# Altium PCB Copy of foxbms2-master.PcbDoc (part 2 of 11)
Units mm, origin at the board's own origin, x right, y up, seen from the top; angles counter-clockwise.
Board outline 200.11 x 130.05 mm, 8 copper layers (Top, Int1 (Sig), Int2 (Gnd), Int3 (Sig), Int4 (Sig), Int5 (Pwr), Int6 (Sig), Bottom), stack 1.636 mm thick; 806 components, 624 nets, 2842 pads, 2609 vias.
Unrouted connection lines stored in the file: 3.
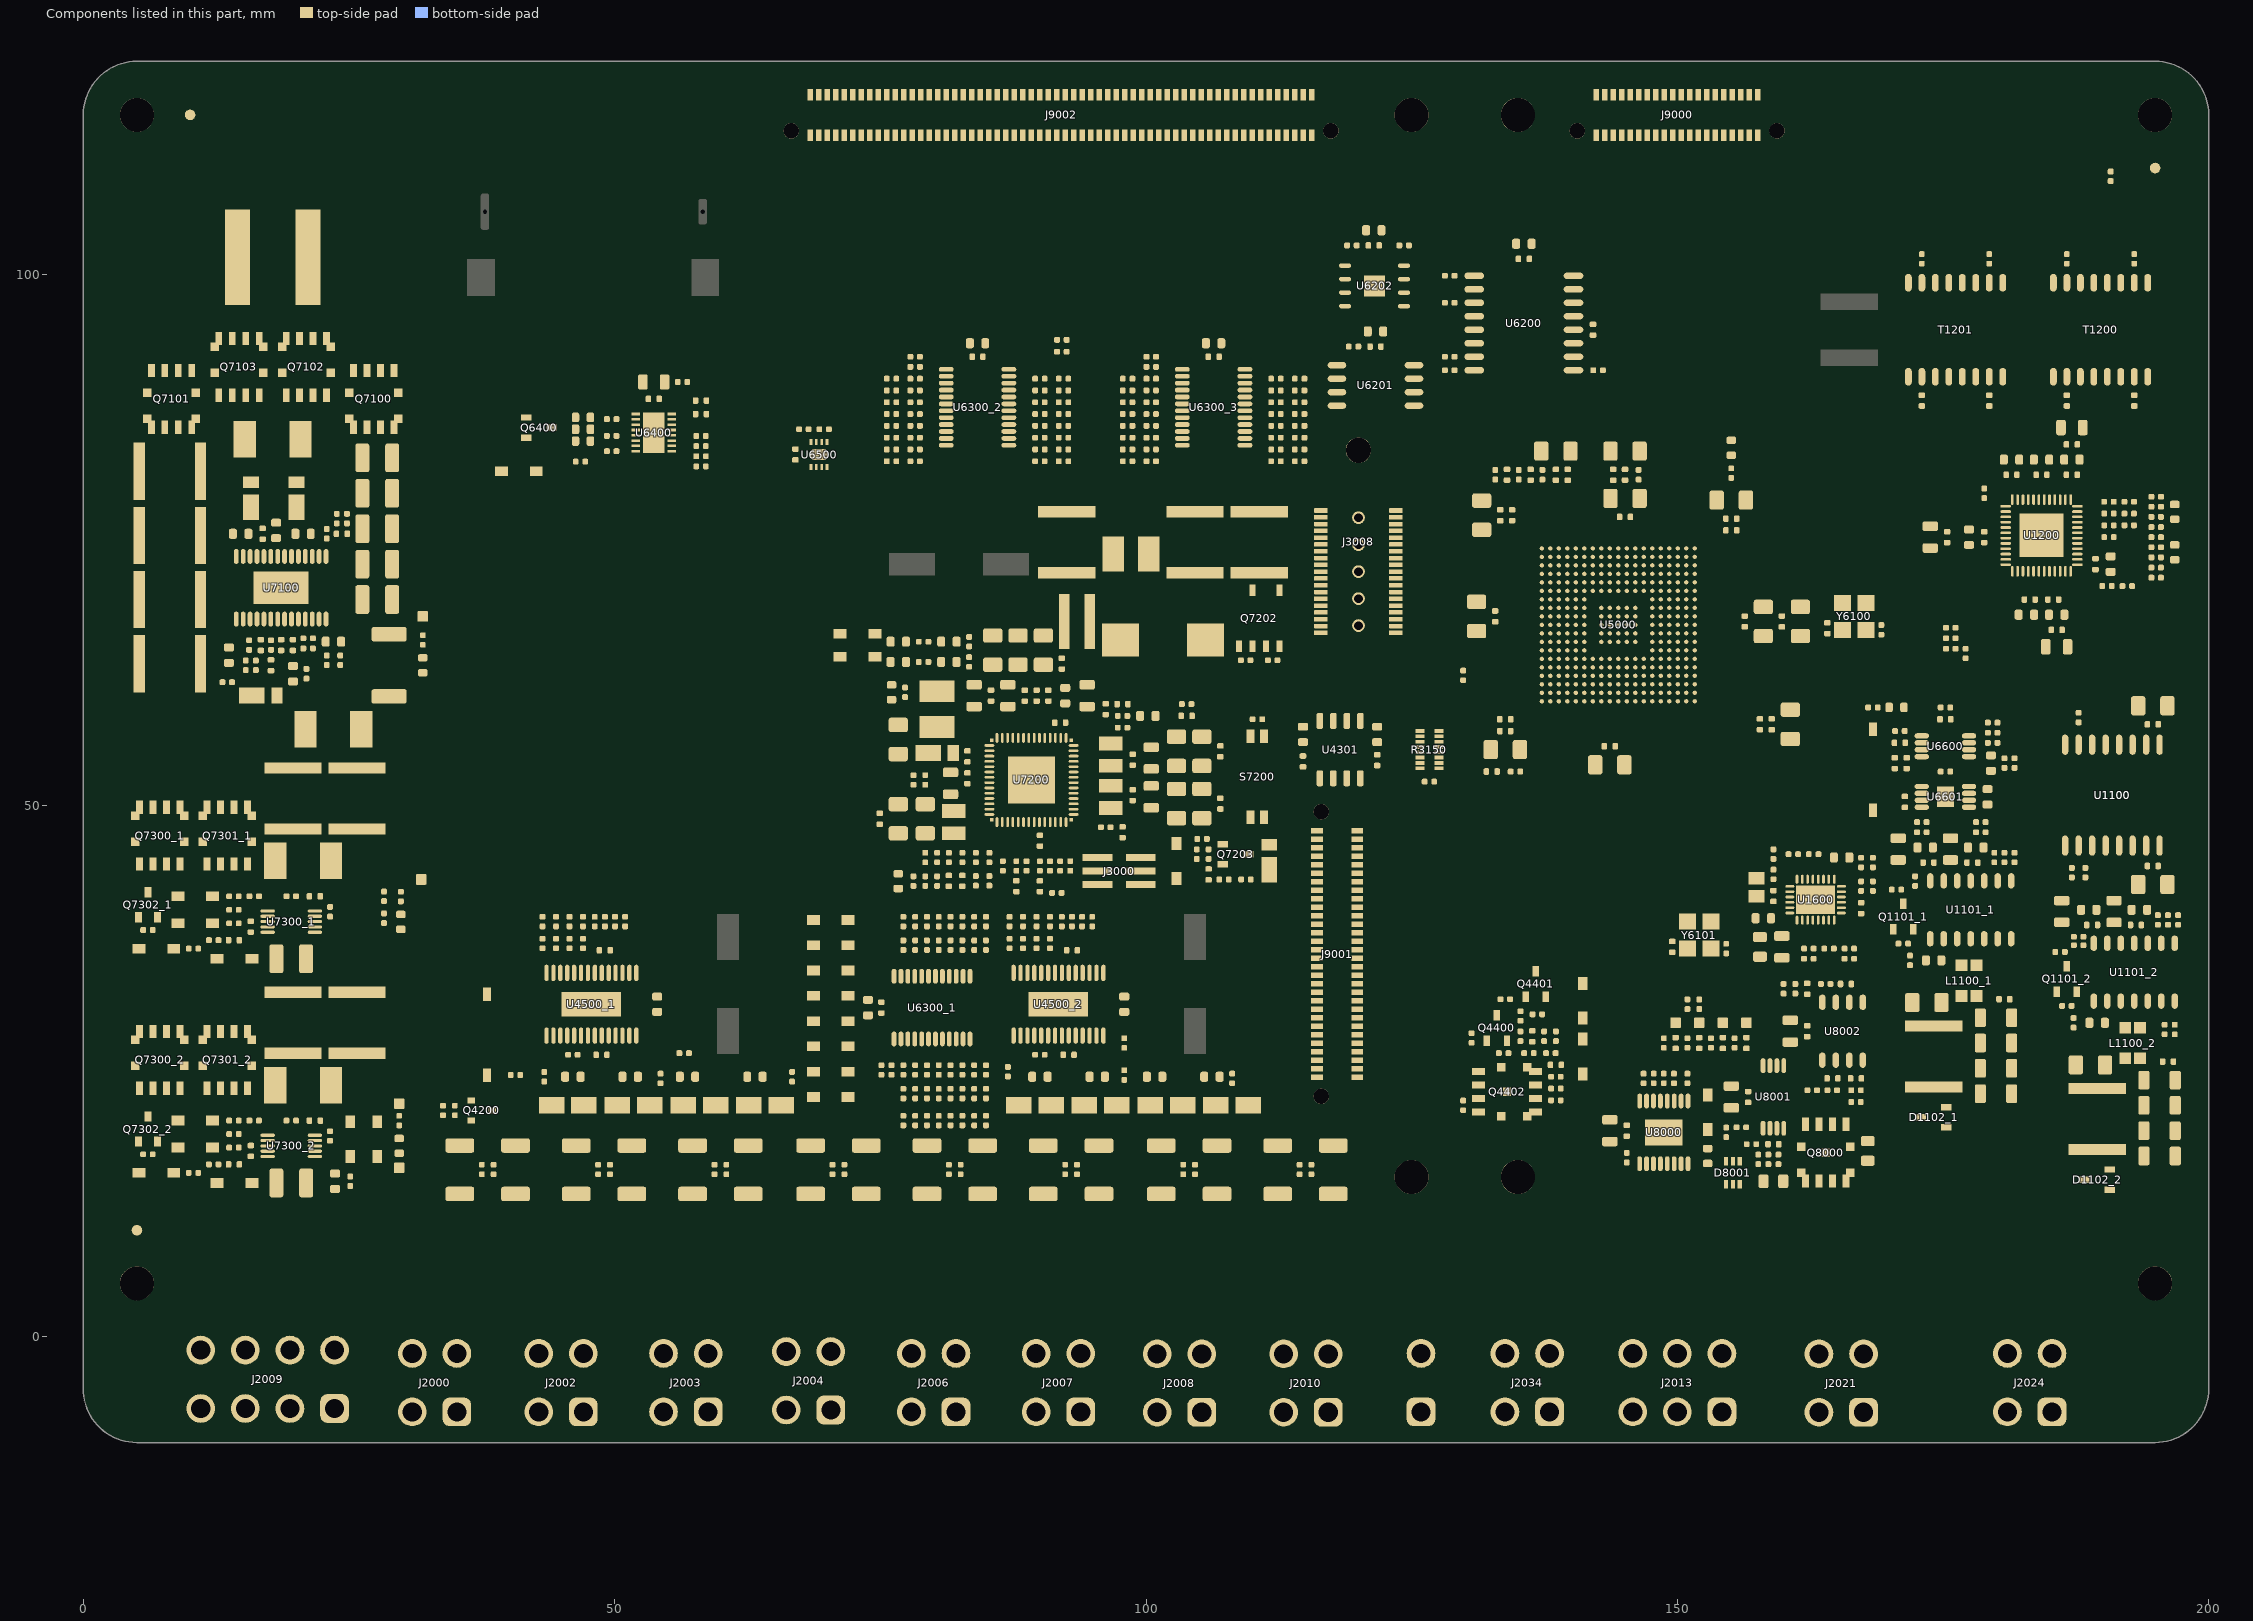
[diagram p8: the components of this part, seen from the top]

## Components (designator, comment, footprint, x,y, rotation, side; value= is the part's Value field where it differs from the comment) (continued)
C7213 "100n/50V" CAPC1005X06N 92.075,63.341 r90 top
C7214 "47n/50V" CAPC1005X06N 91.916,57.785 r0 top locked
C7215 "100n/50V" CAPC1005X06N 98.742,54.292 r270 top
C7216 "10u/16V" CAPC2012X14N 100.489,54.451 r270 top
C7217 "47n/100V" CAPC1608X08N 76.676,65.405 r0 top
C7218 "100n/100V" CAPC1608X08N 81.439,65.405 r180 top locked
C7219 "1n/100V" CAPC1005X06N 90.805,60.325 r270 top
C7220 "22u/10V" CAPC3216X18N 76.676,56.197 r270 top
C7221 "100n/50V" CAPC1005X06N 89.694,60.325 r270 top
C7222 "100n/50V" CAPC1005X06N 90.011,46.672 r90 top
C7223 "100n/50V" CAPC1005X06N 98.742,50.959 r90 top
C7224 "10u/16V" CAPC2012X14N 100.489,50.8 r90 top
C7225 "47n/100V" CAPC1608X08N 76.676,63.5 r0 top
C7226 "100n/100V" CAPC1608X08N 81.439,63.5 r180 top locked
C7227 "100n/50V" CAPC1005X06N 103.822,58.42 r180 top locked
C7228 "100n/50V" CAPC1005X06N 83.185,52.546 r90 top
C7229 "10u/16V" CAPC2012X14N 81.597,52.07 r90 top
C7230 "100n/50V" CAPC1005X06N 83.185,54.61 r270 top
C7231 "100n/50V" CAPC1005X06N 105.886,43.497 r90 top locked
C7232 "100n/50V" CAPC1005X06N 85.407,60.325 r270 top
C7233 "10u/16V" CAPC2012X14N 83.82,60.325 r270 top locked
C7234 "100n/50V" CAPC1005X06N 88.582,60.325 r270 top
C7235 "10u/16V" CAPC2012X14N 86.995,60.325 r270 top locked
C7236 "1n/100V" CAPC1005X06N 90.011,42.386 r90 top
C7237 "1n/100V" CAPC1005X06N 87.789,42.386 r90 top
C7238 "100n/50V" CAPC1005X06N 106.998,55.086 r90 top
C7239 "22u/10V" CAPC3216X18N 105.251,55.086 r90 top
C7240 "22u/10V" CAPC3216X18N 102.87,55.086 r90 top
C7241 "10u/16V" CAPC2012X14N 94.456,60.325 r270 top
C7242 "100n/50V" CAPC1005X06N 96.203,59.055 r270 top locked
C7243 "47n/50V" CAPC1005X06N 81.439,42.889 r90 top
C7244 "10n/25V" CAPC1005X06N 82.709,42.889 r90 top
C7245 "10n/25V" CAPC1005X06N 97.79,47.466 r90 top locked
C7246 "100n/50V" CAPC1005X06N 106.998,50.165 r270 top
C7247 "22u/10V" CAPC3216X18N 102.87,50.165 r270 top
C7248 "22u/10V" CAPC3216X18N 105.251,50.165 r270 top
C7249 "100n/50V" CAPC1005X06N 74.93,48.736 r270 top
C7250 "22u/10V" CAPC3216X18N 79.216,48.736 r270 top
C7251 "22u/10V" CAPC3216X18N 76.676,48.736 r270 top
C7300_1 "100n/50V" CAPC1005X06N 14.129,37.306 r0 top (schematic designator C7300)
C7300_2 "100n/50V" CAPC1005X06N 14.129,16.192 r0 top (schematic designator C7300)
C7301_1 "10u/100V" CAPC5750X28N 19.685,50.641 r270 top (schematic designator C7301)
C7301_2 "10u/100V" CAPC5750X28N 19.685,29.527 r270 top (schematic designator C7301)
C7302_1 "10u/100V" CAPC5750X28N 25.717,50.641 r270 top (schematic designator C7302)
C7302_2 "10u/100V" CAPC5750X28N 25.717,29.527 r270 top (schematic designator C7302)
C7303_1 "47n/50V" CAPC1005X06N 21.749,41.434 r0 top (schematic designator C7303)
C7303_2 "47n/50V" CAPC1005X06N 21.749,20.32 r0 top (schematic designator C7303)
C7304_1 "4u7/100V" CAPC3225X25N 19.526,35.56 r0 top (schematic designator C7304)
C7304_2 "4u7/100V" CAPC3225X25N 19.526,14.446 r0 top (schematic designator C7304)
C7305_1 "220n/35V" CAPC1005X06N 15.716,38.576 r270 top (schematic designator C7305)
C7305_2 "220n/35V" CAPC1005X06N 15.716,17.462 r270 top locked (schematic designator C7305)
C8000 "22n/50V" CAPC1005X06N 152.082,27.622 r90 top
C8001 "22n/50V" CAPC1005X06N 149.86,27.622 r90 top
C8002 "22n/50V" CAPC1005X06N 154.305,27.622 r90 top
C8003 "100n/50V" CAPC1005X06N 145.256,19.367 r270 top
C8004 "22n/50V" CAPC1005X06N 159.067,18.098 r180 top locked
C8005 "22n/50V" CAPC1005X06N 156.528,27.622 r90 top
C8006 "10u/16V" CAPC2012X14N 155.099,22.543 r90 top
C8007 "100n/50V" CAPC1005X06N 156.686,22.543 r90 top
C8008 "10u/16V" CAPC2012X14N 160.655,28.734 r90 top
C8009 "100n/50V" CAPC1005X06N 162.243,28.734 r90 top
C8010 "22n/50V" CAPC1005X06N 166.846,24.289 r180 top
C8011 "22n/50V" CAPC1005X06N 164.624,24.289 r180 top
C8012 "10u/16V" CAPC2012X14N 143.669,19.367 r270 top
C8013 "22n/50V" CAPC1005X06N 165.894,33.179 r180 top
C8014 "22n/50V" CAPC1005X06N 162.243,32.729 r90 top
D1100 "1N4148WQ-7-F" SOD-123_CASE-425-04-ISSUE-G 72.842,63.976 r0 top
D1102_1 "SM24CANB-02HTG" LF_SOT23-3 174.149,20.637 r180 top locked (schematic designator D1102)
D1102_2 "SM24CANB-02HTG" LF_SOT23-3 189.547,14.764 r180 top (schematic designator D1102)
D1200 "pure green" LEDC1608X07N 196.85,77.629 r270 top locked
D1201 "pure green" LEDC1608X07N 196.85,73.819 r270 top locked
D4200_1 "SZMMSZ4688T1G" SOD-123_CASE-425-04-ISSUE-G 70.326,39.211 r180 top (schematic designator D4200)
D4200_2 "SZMMSZ4688T1G" SOD-123_CASE-425-04-ISSUE-G 70.326,36.83 r180 top (schematic designator D4200)
D4200_3 "SZMMSZ4688T1G" SOD-123_CASE-425-04-ISSUE-G 70.326,34.449 r180 top (schematic designator D4200)
D4200_4 "SZMMSZ4688T1G" SOD-123_CASE-425-04-ISSUE-G 70.326,32.067 r180 top (schematic designator D4200)
D4200_5 "SZMMSZ4688T1G" SOD-123_CASE-425-04-ISSUE-G 70.326,29.686 r180 top (schematic designator D4200)
D4200_6 "SZMMSZ4688T1G" SOD-123_CASE-425-04-ISSUE-G 70.326,27.305 r180 top (schematic designator D4200)
D4200_7 "SZMMSZ4688T1G" SOD-123_CASE-425-04-ISSUE-G 70.326,24.924 r180 top (schematic designator D4200)
D4200_8 "SZMMSZ4688T1G" SOD-123_CASE-425-04-ISSUE-G 70.326,22.543 r180 top (schematic designator D4200)
D4400 "1N4148WQ-7-F" SOD-123_CASE-425-04-ISSUE-G 141.129,26.352 r270 top
D4401 "1N4148WQ-7-F" SOD-123_CASE-425-04-ISSUE-G 141.129,31.591 r270 top
D4500_1 "SMA6J60A-Q" BOURNS_DO-214AC_SMA 45.561,21.749 r0 top (schematic designator D4500)
D4500_2 "SMA6J60A-Q" BOURNS_DO-214AC_SMA 89.535,21.749 r0 top (schematic designator D4500)
D4501_1 "SMA6J60A-Q" BOURNS_DO-214AC_SMA 51.752,21.749 r180 top (schematic designator D4501)
D4501_2 "SMA6J60A-Q" BOURNS_DO-214AC_SMA 95.726,21.749 r180 top (schematic designator D4501)
D4502_1 "SMA6J60A-Q" BOURNS_DO-214AC_SMA 57.944,21.749 r0 top (schematic designator D4502)
D4502_2 "SMA6J60A-Q" BOURNS_DO-214AC_SMA 101.917,21.749 r0 top (schematic designator D4502)
D4503_1 "SMA6J60A-Q" BOURNS_DO-214AC_SMA 64.135,21.749 r180 top (schematic designator D4503)
D4503_2 "SMA6J60A-Q" BOURNS_DO-214AC_SMA 108.109,21.749 r180 top (schematic designator D4503)
D5000 "pure green" LEDC1608X07N 155.099,83.661 r270 top
D6400 "1N4148WQ-7-F" SOD-123_CASE-425-04-ISSUE-G 72.842,66.14 r0 top
D6401 "SZMMSZ4688T1G" SOD-123_CASE-425-04-ISSUE-G 40.957,81.439 r180 top
D6601 "pure green" LEDC1608X07N 170.656,59.214 r180 top locked
D7000 "pure green" LEDC1608X07N 29.845,39.026 r90 top
D7001 "pure green" LEDC1608X07N 31.909,63.182 r90 top
D7002 "pure green" LEDC1608X07N 76.041,60.642 r270 top
D7004 "1N4148WQ-7-F" SOD-123_CASE-425-04-ISSUE-G 27.622,18.574 r270 top
D7005 "pure green" LEDC1608X07N 29.686,17.939 r90 top
D7006 "1N4148WQ-7-F" SOD-123_CASE-425-04-ISSUE-G 25.082,18.574 r270 top
D7100 "DFLS1100Q-7" PowerDI123 16.669,60.325 r0 top locked
D7101 "DFLS1100Q-7" PowerDI123 15.716,78.899 r90 top locked
D7102 "DFLS1100Q-7" PowerDI123 20.002,78.899 r90 top locked
D7200 "pure green" LEDC1608X07N 76.676,42.862 r90 top locked
D7201 "DFLS130LQ-7" PowerDI123 80.328,54.927 r0 top locked
D7202 "SZMMSZ4688T1G" SOD-123_CASE-425-04-ISSUE-G 102.87,44.767 r270 top
D7203 "DFLS1100Q-7" PowerDI123 111.601,44.767 r90 top locked
D7303_1 "1N4148WQ-7-F" SOD-123_CASE-425-04-ISSUE-G 10.477,41.434 r0 top (schematic designator D7303)
D7303_2 "1N4148WQ-7-F" SOD-123_CASE-425-04-ISSUE-G 10.477,20.32 r0 top locked (schematic designator D7303)
D7305_1 "1N4148WQ-7-F" SOD-123_CASE-425-04-ISSUE-G 6.826,36.512 r0 top (schematic designator D7305)
D7305_2 "1N4148WQ-7-F" SOD-123_CASE-425-04-ISSUE-G 6.826,15.399 r0 top (schematic designator D7305)
D7306_1 "SZMMSZ5237BT1G" SOD-123_CASE-425-04-ISSUE-G 10.477,38.894 r0 top (schematic designator D7306)
D7306_2 "SZMMSZ5237BT1G" SOD-123_CASE-425-04-ISSUE-G 10.477,17.78 r0 top locked (schematic designator D7306)
D7307_1 "SZMMSZ5261BT1G" SOD-123_CASE-425-04-ISSUE-G 14.176,35.56 r0 top (schematic designator D7307)
D7307_2 "SZMMSZ5261BT1G" SOD-123_CASE-425-04-ISSUE-G 14.176,14.446 r0 top (schematic designator D7307)
D8000 "1N4148WQ-7-F" SOD-123_CASE-425-04-ISSUE-G 152.876,21.114 r90 top locked
D8001 "SZNUP2301MW6T1G" ONSEMI_SC-88_SOT-363 155.257,15.399 r270 top locked
Designator69 "Comment" Hole_WA-SMSI_M3 195,115 r0 top locked
Designator70 "Comment" Hole_WA-SMSI_M3 195,5 r0 top locked
Designator71 "Comment" Hole_WA-SMSI_M3 5,5 r0 top locked
Designator72 "Comment" Hole_WA-SMSI_M3 5,115 r0 top locked
Designator74 "Comment" Fiducial_2 5,10 r0 top locked
Designator75 "Comment" Hole_WA-SMSI_M3 135,115 r0 top locked
Designator76 "Comment" Hole_WA-SMSI_M3 135,15 r0 top locked
Designator77 "Comment" Hole_WA-SMSI_M3 125,15 r0 top locked
Designator78 "Comment" Hole_WA-SMSI_M3 125,115 r0 top locked
Designator79 "Comment" Fiducial_2 10,115 r0 top locked
Designator81 "Comment" Fiducial_2 195,110 r0 top locked
FB5000 "600Ω" RESC1005X04N 146.368,81.121 r270 top locked
FB5001 "600Ω" RESC1005X04N 137.319,81.121 r270 top locked
FB5002 "600Ω" RESC1005X04N 135.096,81.121 r270 top locked
J2000 "64900429522" 64900429522 33.02,-14.605 r0 top
J2002 "64900429522" 64900429522 44.926,-14.605 r0 top
J2003 "64900429522" 64900429522 56.674,-14.605 r0 top
J2004 "64900429522" 64900429522 68.226,-14.429 r0 top
J2006 "64900429522" 64900429522 80.01,-14.605 r0 top
J2007 "64900429522" 64900429522 91.757,-14.605 r0 top
J2008 "64900429522" 64900429522 103.151,-14.644 r0 top
J2009 "64900829522" 64900829522 17.304,-14.287 r0 top
J2010 "64900429522" 64900429522 115.057,-14.644 r0 top
J2013 "64900629522" 64900629522 150.019,-14.605 r0 top
J2021 "64900429522" 64900429522 165.454,-14.644 r0 top
J2024 "64900429522" 64900429522 183.197,-14.605 r0 top
J2033 "64900229522" 64900229522 125.889,-14.605 r0 top
J2034 "64900429522" 64900429522 135.89,-14.605 r0 top
J3000 "samtec_FTSH-103-01-L-DV" SAMTEC_FTSH-103-01-L-DV 97.472,43.815 r0 top
J3008 "TE_2-5767004-2" TE_2-5767004-2 120,72 r90 top locked
J9000 "ERM8-020-09.0-L-DV-K-TR" SAMTEC_ERM8-020-09.0-L-DV-K 150,115 r0 top locked
J9001 "ERM8-030-09.0-L-DV-K-TR" SAMTEC_ERM8-030-09.0-L-DV-K 118,36 r270 top locked
J9002 "ERM8-060-09.0-L-DV-K-TR" SAMTEC_ERM8-060-09.0-L-DV-K 92,115 r0 top locked
L1100_1 "100uH" MURATA_DLW32SH 177.482,33.496 r90 top locked (schematic designator L1100)
L1100_2 "100uH" MURATA_DLW32SH 192.881,27.622 r90 top locked (schematic designator L1100)
L1600 "10µH" INDC2012X14N 157.48,42.289 r90 top locked
L7100 "2.2µH" COILCRAFT_XAL1010 17.78,101.6 r0 top
L7200 "1µH" ASPIAIG-S4035 98.584,73.66 r0 top locked
L7201 "6.8µH" PA4342.XXXNLT_Footprint_2 101.6,65.564 r180 top locked
L7202 "4.7µH" ASPIAIG-S4035 80.328,59.055 r90 top locked
L7203 "1µH" TDK_TFM252012 96.679,54.769 r90 top locked
L7204 "1µH" TDK_TFM252012 96.679,50.8 r270 top locked
L7205 "1µH" TDK_TFM252012 81.915,48.419 r270 top locked
Q1101_1 "DMP10H4D2S-7" SOT95P237X110-3N 171.291,39.529 r90 top locked (schematic designator Q1101)
Q1101_2 "DMP10H4D2S-7" SOT95P237X110-3N 186.69,33.655 r90 top (schematic designator Q1101)
Q4200 "SI2302CDS-T1-GE" SOT95P237X112-3N 37.465,21.273 r0 top locked
Q4400 "DMP10H4D2S-7" SOT95P237X110-3N 133.032,29.051 r90 top
Q4401 "DMN10H220L-7" SOT95P237X110-3N 136.684,33.179 r90 top
Q4402 "STL115N10F7AG" ST_PowerFLAT_5x6_WF_type_C#1 133.985,23.019 r270 top
Q6400 "SP000870646" SOT95P237X110-3N 42.862,85.566 r0 top
Q7100 "STL115N10F7AG" ST_PowerFLAT_5x6_WF_type_C#2 27.305,88.265 r180 top
Q7101 "STL115N10F7AG" ST_PowerFLAT_5x6_WF_type_C#2 8.255,88.265 r180 top
Q7102 "STL115N10F7AG" ST_PowerFLAT_5x6_WF_type_C#2 20.955,91.281 r0 top
Q7103 "STL115N10F7AG" ST_PowerFLAT_5x6_WF_type_C#2 14.605,91.281 r0 top
Q7202 "BUK9K13-60EX" NXP-SOT1205_N 110.649,67.627 r90 top
Q7203 "SQ2309ES-T1_GE3" SOT95P237X110-3N 108.426,45.402 r0 top locked
Q7300_1 "STL115N10F7AG" ST_PowerFLAT_5x6_WF_type_C#2 7.144,47.149 r0 top (schematic designator Q7300)
Q7300_2 "STL115N10F7AG" ST_PowerFLAT_5x6_WF_type_C#2 7.144,26.035 r0 top (schematic designator Q7300)
Q7301_1 "STL115N10F7AG" ST_PowerFLAT_5x6_WF_type_C#2 13.494,47.149 r0 top (schematic designator Q7301)
Q7301_2 "STL115N10F7AG" ST_PowerFLAT_5x6_WF_type_C#2 13.494,26.035 r0 top (schematic designator Q7301)
Q7302_1 "ZXTN4240F-7" DIODES_SOT23_NPN 6.032,40.64 r90 top (schematic designator Q7302)
Q7302_2 "ZXTN4240F-7" DIODES_SOT23_NPN 6.032,19.526 r90 top (schematic designator Q7302)
Q8000 "STL115N10F7AG" ST_PowerFLAT_5x6_WF_type_C#1 163.989,17.304 r180 top
R1100 "0R" RESC1005X04N 187.801,58.261 r90 top
R1101 "0R" RESC1005X04N 172.403,42.862 r90 top locked
R1102 "0R" RESC1005X04N 188.436,43.656 r270 top
R1103_1 "10k" RESC1005X04N 173.037,47.466 r180 top (schematic designator R1103)
R1103_2 "10k" RESC1005X04N 187.801,37.624 r180 top (schematic designator R1103)
R1104_1 "10k" RESC1005X04N 178.594,47.466 r0 top (schematic designator R1104)
R1104_2 "10k" RESC1005X04N 195.897,28.892 r270 top (schematic designator R1104)
R1105_1 "10k" RESC1005X04N 181.769,45.085 r90 top locked (schematic designator R1105)
R1105_2 "10k" RESC1005X04N 197.167,39.211 r90 top (schematic designator R1105)
R1106 "0R" RESC1005X04N 187.166,43.656 r90 top
R1107_1 "0R" RESC1005X04N 180.816,45.085 r270 top locked (schematic designator R1107)
R1107_2 "0R" RESC1005X04N 196.215,39.211 r270 top (schematic designator R1107)
R1108_1 "0R" RESC1005X04N 179.864,45.085 r270 top locked (schematic designator R1108)
R1108_2 "0R" RESC1005X04N 195.262,39.211 r270 top (schematic designator R1108)
R1109_1 "10k" RESC1005X04N 173.037,48.419 r0 top (schematic designator R1109)
R1109_2 "10k" RESC1005X04N 187.801,36.83 r0 top (schematic designator R1109)
R1110_1 "120R" RESC3216X06N 180.022,30.004 r180 top (schematic designator R1110)
R1110_2 "120R" RESC3216X06N 195.421,24.13 r180 top (schematic designator R1110)
R1111_1 "120R" RESC3216X06N 180.022,27.622 r180 top (schematic designator R1111)
R1111_2 "120R" RESC3216X06N 195.421,21.749 r180 top (schematic designator R1111)
R1112_1 "120R" RESC3216X06N 180.022,25.241 r180 top (schematic designator R1112)
R1112_2 "120R" RESC3216X06N 195.421,19.367 r180 top (schematic designator R1112)
R1113_1 "120R" RESC3216X06N 180.022,22.86 r180 top locked (schematic designator R1113)
R1113_2 "120R" RESC3216X06N 195.421,16.986 r180 top locked (schematic designator R1113)
R1114_1 "10k" RESC1005X04N 170.656,42.069 r0 top (schematic designator R1114)
R1114_2 "10k" RESC1005X04N 186.055,36.195 r0 top (schematic designator R1114)
R1115_1 "100R" RESC1005X04N 171.291,36.989 r0 top locked (schematic designator R1115)
R1115_2 "100R" RESC1005X04N 186.69,31.115 r0 top (schematic designator R1115)
R1116_1 "10k" RESC1005X04N 171.926,35.401 r270 top locked (schematic designator R1116)
R1116_2 "10k" RESC1005X04N 187.325,29.527 r270 top (schematic designator R1116)
R1117_1 "10k" RESC1005X04N 178.594,48.419 r180 top (schematic designator R1117)
R1117_2 "10k" RESC1005X04N 196.85,28.892 r90 top (schematic designator R1117)
R1200 "2k49" RESC1005X04N 190.659,78.581 r180 top
R1201 "2k49" RESC1005X04N 190.659,77.47 r180 top locked
R1202 "2k49" RESC1005X04N 190.659,76.359 r180 top
R1203 "2k49" RESC1005X04N 190.474,70.644 r180 top locked
R1204 "120R" RESC1005X04N 195.104,77.153 r180 top locked
R1205 "120R" RESC1005X04N 195.104,76.2 r180 top
R1206 "120R" RESC1005X04N 195.104,73.343 r180 top locked
R1207 "120R" RESC1005X04N 195.104,72.39 r180 top
R1208 "0R" RESC1005X04N 195.104,78.105 r0 top
R1209 "0R" RESC1005X04N 195.104,79.057 r0 top
R1210 "0R" RESC1005X04N 195.104,74.295 r0 top
R1211 "0R" RESC1005X04N 195.104,75.248 r0 top
R1212 "2k49" RESC1005X04N 192.564,78.581 r180 top
R1213 "2k49" RESC1005X04N 192.564,77.47 r180 top
R1214 "2k49" RESC1005X04N 192.564,76.359 r180 top
R1215 "2k49" RESC1005X04N 192.379,70.644 r180 top
R1216 "75R" RESC1005X04N 179.387,101.441 r270 top
R1217 "75R" RESC1005X04N 173.037,101.441 r270 top
R1218 "75R" RESC1005X04N 193.04,101.441 r270 top
R1219 "75R" RESC1005X04N 186.69,101.441 r270 top
R1220 "75R" RESC1005X04N 190.817,109.22 r90 top
R1221 "11k" RESC1005X04N 178.911,79.375 r270 top locked
R1222 "5k1" RESC1005X04N 190.659,75.248 r0 top locked
R1223 "10k" RESC1005X04N 175.762,66.723 r180 top
R1224 "2k49" RESC1005X04N 177.165,64.294 r270 top
R1225 "2k49" RESC1005X04N 175.762,65.722 r0 top
R1226 "2k49" RESC1005X04N 175.762,64.738 r0 top
R1227 "2k2" RESC1005X04N 195.104,71.438 r0 top
R1600 "2R" RESC2012X05N 157.797,36.671 r90 top
R1601 "10k" RESC1005X04N 168.434,42.386 r270 top locked
R1602 "10k" RESC1005X04N 167.322,42.386 r270 top locked
R1603 "10k" RESC1005X04N 159.067,43.497 r270 top locked
R1604 "10k" RESC1005X04N 162.851,45.402 r0 top locked
R1605 "10k" RESC1005X04N 168.434,44.609 r270 top
R1606 "10k" RESC1005X04N 167.322,44.609 r270 top
R1607 "10k" RESC1005X04N 159.067,45.402 r270 top
R1608 "10k" RESC1005X04N 160.946,45.402 r0 top
R1609 "390R" RESC1005X04N 166.211,36.512 r0 top
R1610 "390R" RESC1005X04N 166.211,35.56 r0 top locked
R1611 "220R" RESC1005X04N 164.306,36.512 r0 top locked
R1612 "390R" RESC1005X04N 162.401,36.512 r0 top
R1613 "390R" RESC1005X04N 162.401,35.56 r0 top
R3000 "5k1" RESC1005X04N 126.682,52.229 r0 top locked
R3004 "5k1" RESC1005X04N 134.779,53.181 r0 top
R3009 "5k1" RESC1005X04N 129.857,62.23 r270 top
R3150 "22R" PANASONIC_EXB2HV 126.682,55.245 r180 top locked
R4200 "100R" RESC1005X04N 33.814,21.273 r90 top locked
R4201 "10k" RESC1005X04N 34.925,21.273 r90 top
R4202_1 "86R6" RESC5025X07N 35.401,15.69 r270 top (schematic designator R4202)
R4202_2 "86R6" RESC5025X07N 46.355,15.69 r270 top (schematic designator R4202)
R4202_3 "86R6" RESC5025X07N 57.309,15.69 r270 top (schematic designator R4202)
R4202_4 "86R6" RESC5025X07N 68.421,15.69 r270 top (schematic designator R4202)
R4202_5 "86R6" RESC5025X07N 79.375,15.69 r270 top (schematic designator R4202)
R4202_6 "86R6" RESC5025X07N 90.329,15.69 r270 top (schematic designator R4202)
R4202_7 "86R6" RESC5025X07N 101.441,15.69 r270 top (schematic designator R4202)
R4202_8 "86R6" RESC5025X07N 112.395,15.69 r270 top (schematic designator R4202)
R4203_1 "5k6" RESC1005X04N 37.465,15.716 r270 top locked (schematic designator R4203)
R4203_2 "5k6" RESC1005X04N 48.419,15.716 r270 top locked (schematic designator R4203)
R4203_3 "5k6" RESC1005X04N 59.372,15.716 r270 top locked (schematic designator R4203)
R4203_4 "5k6" RESC1005X04N 70.485,15.716 r270 top locked (schematic designator R4203)
R4203_5 "5k6" RESC1005X04N 81.439,15.716 r270 top locked (schematic designator R4203)
R4203_6 "5k6" RESC1005X04N 92.392,15.716 r270 top locked (schematic designator R4203)
R4203_7 "5k6" RESC1005X04N 103.505,15.716 r270 top locked (schematic designator R4203)
R4203_8 "5k6" RESC1005X04N 114.459,15.716 r270 top locked (schematic designator R4203)
R4204_1 "33R" RESC5025X07N 40.64,15.69 r90 top (schematic designator R4204)
R4204_2 "33R" RESC5025X07N 51.594,15.69 r90 top (schematic designator R4204)
R4204_3 "33R" RESC5025X07N 62.547,15.69 r90 top (schematic designator R4204)
R4204_4 "33R" RESC5025X07N 73.66,15.69 r90 top (schematic designator R4204)
R4204_5 "33R" RESC5025X07N 84.614,15.69 r90 top (schematic designator R4204)
R4204_6 "33R" RESC5025X07N 95.567,15.69 r90 top (schematic designator R4204)
R4204_7 "33R" RESC5025X07N 106.68,15.69 r90 top (schematic designator R4204)
R4204_8 "33R" RESC5025X07N 117.634,15.69 r90 top (schematic designator R4204)
R4205_1 "2k49" RESC1005X04N 38.576,15.716 r90 top (schematic designator R4205)
R4205_2 "2k49" RESC1005X04N 49.53,15.716 r90 top (schematic designator R4205)
R4205_3 "2k49" RESC1005X04N 60.484,15.716 r90 top (schematic designator R4205)
R4205_4 "2k49" RESC1005X04N 71.596,15.716 r90 top (schematic designator R4205)
R4205_5 "2k49" RESC1005X04N 82.55,15.716 r90 top (schematic designator R4205)
R4205_6 "2k49" RESC1005X04N 93.504,15.716 r90 top (schematic designator R4205)
R4205_7 "2k49" RESC1005X04N 104.616,15.716 r90 top (schematic designator R4205)
R4205_8 "2k49" RESC1005X04N 115.57,15.716 r90 top (schematic designator R4205)
R4206_1 "5k6" RESC1005X04N 77.153,20.32 r270 top (schematic designator R4206)
R4206_2 "5k6" RESC1005X04N 78.264,20.32 r270 top (schematic designator R4206)
R4206_3 "5k6" RESC1005X04N 79.375,20.32 r270 top (schematic designator R4206)
R4206_4 "5k6" RESC1005X04N 80.486,20.32 r270 top (schematic designator R4206)
R4206_5 "5k6" RESC1005X04N 81.597,20.32 r270 top (schematic designator R4206)
R4206_6 "5k6" RESC1005X04N 82.709,20.32 r270 top (schematic designator R4206)
R4206_7 "5k6" RESC1005X04N 83.82,20.32 r270 top (schematic designator R4206)
R4206_8 "5k6" RESC1005X04N 84.931,20.32 r270 top (schematic designator R4206)
R4400 "100R" RESC1005X04N 138.589,22.225 r180 top
R4401 "10k" RESC1005X04N 138.589,23.336 r0 top
R4402 "10k" RESC1005X04N 130.651,28.099 r90 top
R4403 "10k" RESC1005X04N 137.477,28.258 r90 top
R4404 "1k5" RESC1005X04N 133.667,26.67 r180 top
R4405 "680R" RESC1005X04N 138.589,24.447 r180 top
R4406 "1k5" RESC1005X04N 136.049,26.67 r180 top
R4407 "680R" RESC1005X04N 138.112,26.67 r180 top
R4408 "0R" RESC1005X04N 138.589,28.258 r270 top
R4409 "1k5" RESC1005X04N 135.255,28.258 r90 top
R4410 "0R" RESC1005X04N 136.843,30.321 r0 top
R4411 "680R" RESC1005X04N 135.255,30.162 r270 top
R4412 "10k" RESC1005X04N 133.826,31.75 r0 top
R4413 "10k" RESC1005X04N 129.857,21.749 r270 top
R4500 "10k" RESC1005X04N 40.64,24.606 r180 top
R4501_1 "47k" RESC1005X04N 43.339,24.447 r270 top locked (schematic designator R4501)
R4501_2 "47k" RESC1005X04N 86.995,24.924 r90 top locked (schematic designator R4501)
R4502_1 "47k" RESC1005X04N 54.292,24.289 r90 top locked (schematic designator R4502)
R4502_2 "47k" RESC1005X04N 97.949,24.606 r90 top locked (schematic designator R4502)
R4503_1 "47k" RESC1005X04N 56.515,26.67 r180 top locked (schematic designator R4503)
R4503_2 "47k" RESC1005X04N 97.949,27.622 r270 top locked (schematic designator R4503)
R4504_1 "10k" RESC1005X04N 46.99,39.052 r90 top locked (schematic designator R4504)
R4504_2 "10k" RESC1005X04N 90.964,39.052 r90 top locked (schematic designator R4504)
R4505_1 "10k" RESC1005X04N 45.72,39.052 r90 top locked (schematic designator R4505)
R4505_2 "10k" RESC1005X04N 89.694,39.052 r90 top locked (schematic designator R4505)
R4506_1 "10k" RESC1005X04N 44.45,39.052 r90 top locked (schematic designator R4506)
R4506_2 "10k" RESC1005X04N 88.424,39.052 r90 top locked (schematic designator R4506)
R4507_1 "10k" RESC1005X04N 43.18,39.052 r90 top locked (schematic designator R4507)
R4507_2 "10k" RESC1005X04N 87.154,39.052 r90 top locked (schematic designator R4507)
R4508_1 "47k" RESC1005X04N 66.675,24.447 r270 top locked (schematic designator R4508)
R4508_2 "47k" RESC1005X04N 108.109,24.289 r90 top locked (schematic designator R4508)
R4509_1 "10k" RESC1005X04N 46.99,36.989 r90 top (schematic designator R4509)
R4509_2 "10k" RESC1005X04N 90.964,36.989 r90 top (schematic designator R4509)
R4510_1 "10k" RESC1005X04N 45.72,36.989 r90 top (schematic designator R4510)
R4510_2 "10k" RESC1005X04N 89.694,36.989 r90 top (schematic designator R4510)
R4511_1 "10k" RESC1005X04N 44.45,36.989 r90 top (schematic designator R4511)
R4511_2 "10k" RESC1005X04N 88.424,36.989 r90 top (schematic designator R4511)
R4512_1 "10k" RESC1005X04N 43.18,36.989 r90 top (schematic designator R4512)
R4512_2 "10k" RESC1005X04N 87.154,36.989 r90 top (schematic designator R4512)
R4513_1 "47k5" RESC1005X04N 46.038,26.511 r0 top (schematic designator R4513)
R4513_2 "47k5" RESC1005X04N 90.011,26.511 r0 top (schematic designator R4513)
R4514_1 "0R" RESC1005X04N 50.959,39.052 r270 top (schematic designator R4514)
R4514_2 "0R" RESC1005X04N 94.932,39.052 r270 top (schematic designator R4514)
R4515_1 "0R" RESC1005X04N 50.006,39.052 r270 top (schematic designator R4515)
R4515_2 "0R" RESC1005X04N 93.98,39.052 r270 top (schematic designator R4515)
R4516_1 "0R" RESC1005X04N 49.054,39.052 r270 top (schematic designator R4516)
R4516_2 "0R" RESC1005X04N 93.027,39.052 r270 top (schematic designator R4516)
R4517_1 "0R" RESC1005X04N 48.101,39.052 r270 top (schematic designator R4517)
R4517_2 "0R" RESC1005X04N 92.075,39.052 r270 top (schematic designator R4517)
R5000 "33R" RESC1005X04N 155.099,81.28 r270 top
R6100 "10k" RESC1005X04N 169.227,66.516 r270 top
R6101 "10k" RESC1005X04N 154.623,36.512 r270 top
R6200 "100k" RESC1005X04N 128.588,92.234 r180 top
R6201 "100k" RESC1005X04N 128.588,90.964 r180 top
R6202 "100k" RESC1005X04N 128.588,99.854 r180 top
R6203 "100k" RESC1005X04N 142.558,90.964 r0 top
R6204 "100k" RESC1005X04N 128.588,97.314 r180 top
R6205 "100k" RESC1005X04N 119.539,93.186 r180 top
R6206 "100k" RESC1005X04N 119.38,102.711 r180 top
R6207 "100k" RESC1005X04N 124.301,102.711 r180 top
R6300 "2k49" RESC1005X04N 92.075,93.821 r0 top
R6301 "2k49" RESC1005X04N 92.075,92.71 r0 top
R6302_1 "10k" RESC1005X04N 77.153,25.082 r90 top locked (schematic designator R6302)
R6302_2 "10k" RESC1005X04N 78.264,90.17 r0 top locked (schematic designator R6302)
R6302_3 "10k" RESC1005X04N 100.489,90.17 r0 top locked (schematic designator R6302)
R6303_1 "10k" RESC1005X04N 78.264,25.082 r90 top locked (schematic designator R6303)
R6303_2 "10k" RESC1005X04N 78.264,89.059 r0 top locked (schematic designator R6303)
R6303_3 "10k" RESC1005X04N 100.489,89.059 r0 top locked (schematic designator R6303)
R6304_1 "10k" RESC1005X04N 79.375,25.082 r90 top locked (schematic designator R6304)
R6304_2 "10k" RESC1005X04N 78.264,87.947 r0 top locked (schematic designator R6304)
R6304_3 "10k" RESC1005X04N 100.489,87.947 r0 top locked (schematic designator R6304)
R6305_1 "10k" RESC1005X04N 80.486,25.082 r90 top locked (schematic designator R6305)
R6305_2 "10k" RESC1005X04N 78.264,86.836 r0 top locked (schematic designator R6305)
R6305_3 "10k" RESC1005X04N 100.489,86.836 r0 top locked (schematic designator R6305)
R6306_1 "10k" RESC1005X04N 81.597,25.082 r90 top locked (schematic designator R6306)
R6306_2 "10k" RESC1005X04N 78.264,85.725 r0 top locked (schematic designator R6306)
R6306_3 "10k" RESC1005X04N 100.489,85.725 r0 top locked (schematic designator R6306)
R6307_1 "10k" RESC1005X04N 82.709,25.082 r90 top locked (schematic designator R6307)
R6307_2 "10k" RESC1005X04N 78.264,84.614 r0 top locked (schematic designator R6307)
R6307_3 "10k" RESC1005X04N 100.489,84.614 r0 top locked (schematic designator R6307)
R6308_1 "10k" RESC1005X04N 83.82,25.082 r90 top locked (schematic designator R6308)
R6308_2 "10k" RESC1005X04N 78.264,83.502 r0 top locked (schematic designator R6308)
R6308_3 "10k" RESC1005X04N 100.489,83.502 r0 top (schematic designator R6308)
R6309_1 "10k" RESC1005X04N 84.931,25.082 r90 top locked (schematic designator R6309)
R6309_2 "10k" RESC1005X04N 78.264,82.391 r0 top locked (schematic designator R6309)
R6309_3 "10k" RESC1005X04N 100.489,82.391 r0 top locked (schematic designator R6309)
R6310_1 "10k" RESC1005X04N 84.931,36.83 r270 top locked (schematic designator R6310)
R6310_2 "10k" RESC1005X04N 90.011,82.391 r180 top locked (schematic designator R6310)
R6310_3 "10k" RESC1005X04N 112.236,82.391 r180 top locked (schematic designator R6310)
R6311_1 "10k" RESC1005X04N 83.82,36.83 r270 top locked (schematic designator R6311)
R6311_2 "10k" RESC1005X04N 90.011,83.502 r180 top locked (schematic designator R6311)
R6311_3 "10k" RESC1005X04N 112.236,83.502 r180 top locked (schematic designator R6311)
R6312_1 "10k" RESC1005X04N 82.709,36.83 r270 top locked (schematic designator R6312)
R6312_2 "10k" RESC1005X04N 90.011,84.614 r180 top locked (schematic designator R6312)
R6312_3 "10k" RESC1005X04N 112.236,84.614 r180 top locked (schematic designator R6312)
R6313_1 "10k" RESC1005X04N 81.597,36.83 r270 top locked (schematic designator R6313)
R6313_2 "10k" RESC1005X04N 90.011,85.725 r180 top locked (schematic designator R6313)
R6313_3 "10k" RESC1005X04N 112.236,85.725 r180 top locked (schematic designator R6313)
R6314_1 "10k" RESC1005X04N 80.486,36.83 r270 top locked (schematic designator R6314)
R6314_2 "10k" RESC1005X04N 90.011,86.836 r180 top locked (schematic designator R6314)
R6314_3 "10k" RESC1005X04N 112.236,86.836 r180 top locked (schematic designator R6314)
R6315_1 "10k" RESC1005X04N 79.375,36.83 r270 top locked (schematic designator R6315)
R6315_2 "10k" RESC1005X04N 90.011,87.947 r180 top locked (schematic designator R6315)
R6315_3 "10k" RESC1005X04N 112.236,87.947 r180 top locked (schematic designator R6315)
R6316_1 "10k" RESC1005X04N 78.264,36.83 r270 top locked (schematic designator R6316)
R6316_2 "10k" RESC1005X04N 90.011,89.059 r180 top locked (schematic designator R6316)
R6316_3 "10k" RESC1005X04N 112.236,89.059 r180 top locked (schematic designator R6316)
R6317_1 "10k" RESC1005X04N 77.153,36.83 r270 top locked (schematic designator R6317)
R6317_2 "10k" RESC1005X04N 90.011,90.17 r180 top locked (schematic designator R6317)
R6317_3 "10k" RESC1005X04N 112.236,90.17 r180 top locked (schematic designator R6317)
R6318_1 "10k" RESC1005X04N 75.089,25.082 r270 top (schematic designator R6318)
R6318_2 "10k" RESC1005X04N 78.264,92.234 r180 top (schematic designator R6318)
R6318_3 "10k" RESC1005X04N 100.489,92.234 r180 top (schematic designator R6318)
R6319_1 "10k" RESC1005X04N 76.041,25.082 r270 top (schematic designator R6319)
R6319_2 "10k" RESC1005X04N 78.264,91.281 r180 top (schematic designator R6319)
R6319_3 "10k" RESC1005X04N 100.489,91.281 r180 top (schematic designator R6319)
R6320_1 "10k" RESC1005X04N 77.153,22.86 r90 top (schematic designator R6320)
R6320_2 "10k" RESC1005X04N 76.041,90.17 r0 top (schematic designator R6320)
R6320_3 "10k" RESC1005X04N 98.266,90.17 r0 top (schematic designator R6320)
R6321_1 "10k" RESC1005X04N 78.264,22.86 r90 top (schematic designator R6321)
R6321_2 "10k" RESC1005X04N 76.041,89.059 r0 top (schematic designator R6321)
R6321_3 "10k" RESC1005X04N 98.266,89.059 r0 top (schematic designator R6321)
R6322_1 "10k" RESC1005X04N 79.375,22.86 r90 top (schematic designator R6322)
R6322_2 "10k" RESC1005X04N 76.041,87.947 r0 top (schematic designator R6322)
R6322_3 "10k" RESC1005X04N 98.266,87.947 r0 top (schematic designator R6322)
R6323_1 "10k" RESC1005X04N 80.486,22.86 r90 top (schematic designator R6323)
R6323_2 "10k" RESC1005X04N 76.041,86.836 r0 top (schematic designator R6323)
R6323_3 "10k" RESC1005X04N 98.266,86.836 r0 top (schematic designator R6323)
R6324_1 "10k" RESC1005X04N 81.597,22.86 r90 top (schematic designator R6324)
R6324_2 "10k" RESC1005X04N 76.041,85.725 r0 top (schematic designator R6324)
R6324_3 "10k" RESC1005X04N 98.266,85.725 r0 top (schematic designator R6324)
R6325_1 "10k" RESC1005X04N 82.709,22.86 r90 top (schematic designator R6325)
R6325_2 "10k" RESC1005X04N 76.041,84.614 r0 top (schematic designator R6325)
R6325_3 "10k" RESC1005X04N 98.266,84.614 r0 top (schematic designator R6325)
R6326_1 "10k" RESC1005X04N 83.82,22.86 r90 top (schematic designator R6326)
R6326_2 "10k" RESC1005X04N 76.041,83.502 r0 top (schematic designator R6326)
R6326_3 "10k" RESC1005X04N 98.266,83.502 r0 top (schematic designator R6326)
R6327_1 "10k" RESC1005X04N 84.931,22.86 r90 top (schematic designator R6327)
R6327_2 "10k" RESC1005X04N 76.041,82.391 r0 top (schematic designator R6327)
R6327_3 "10k" RESC1005X04N 98.266,82.391 r0 top (schematic designator R6327)
R6328_1 "10k" RESC1005X04N 84.931,39.052 r270 top (schematic designator R6328)
R6328_2 "10k" RESC1005X04N 92.234,82.391 r180 top (schematic designator R6328)
R6328_3 "10k" RESC1005X04N 114.459,82.391 r180 top (schematic designator R6328)
R6329_1 "10k" RESC1005X04N 83.82,39.052 r270 top (schematic designator R6329)
R6329_2 "10k" RESC1005X04N 92.234,83.502 r180 top (schematic designator R6329)
R6329_3 "10k" RESC1005X04N 114.459,83.502 r180 top (schematic designator R6329)
R6330_1 "10k" RESC1005X04N 82.709,39.052 r270 top (schematic designator R6330)
R6330_2 "10k" RESC1005X04N 92.234,84.614 r180 top (schematic designator R6330)
R6330_3 "10k" RESC1005X04N 114.459,84.614 r180 top (schematic designator R6330)
R6331_1 "10k" RESC1005X04N 81.597,39.052 r270 top (schematic designator R6331)
R6331_2 "10k" RESC1005X04N 92.234,85.725 r180 top (schematic designator R6331)
R6331_3 "10k" RESC1005X04N 114.459,85.725 r180 top (schematic designator R6331)
R6332_1 "10k" RESC1005X04N 80.486,39.052 r270 top (schematic designator R6332)
R6332_2 "10k" RESC1005X04N 92.234,86.836 r180 top (schematic designator R6332)
R6332_3 "10k" RESC1005X04N 114.459,86.836 r180 top (schematic designator R6332)
R6333_1 "10k" RESC1005X04N 79.375,39.052 r270 top (schematic designator R6333)
R6333_2 "10k" RESC1005X04N 92.234,87.947 r180 top (schematic designator R6333)
R6333_3 "10k" RESC1005X04N 114.459,87.947 r180 top (schematic designator R6333)
R6334_1 "10k" RESC1005X04N 78.264,39.052 r270 top (schematic designator R6334)
R6334_2 "10k" RESC1005X04N 92.234,89.059 r180 top (schematic designator R6334)
R6334_3 "10k" RESC1005X04N 114.459,89.059 r180 top (schematic designator R6334)
R6335_1 "10k" RESC1005X04N 77.153,39.052 r270 top (schematic designator R6335)
R6335_2 "10k" RESC1005X04N 92.234,90.17 r180 top (schematic designator R6335)
R6335_3 "10k" RESC1005X04N 114.459,90.17 r180 top (schematic designator R6335)
R6400 "10k" RESC1005X04N 46.755,82.356 r180 top
R6401 "10k" RESC1005X04N 58.102,84.772 r0 top
R6402 "10k" RESC1608X05N 46.99,84.296 r180 top
R6403 "2k49" RESC1005X04N 49.689,86.36 r180 top
R6404 "2k49" RESC1005X04N 49.689,84.772 r180 top
R6407 "100R" RESC1005X04N 56.356,89.852 r0 top locked
R6408 "100k" RESC1005X04N 49.689,83.344 r180 top locked
R6409 "100k" RESC1005X04N 58.102,81.915 r0 top locked
R6410 "100k" RESC1005X04N 58.102,82.867 r0 top locked
R6411 "100k" RESC1005X04N 58.102,83.82 r0 top locked
R6412 "10k" RESC1608X05N 46.99,86.519 r0 top
R6413 "10k" RESC1608X05N 46.99,85.407 r0 top
R6500 "2k49" RESC1005X04N 67.786,85.407 r180 top locked
R6501 "2k49" RESC1005X04N 69.691,85.407 r180 top locked
R6600 "10k" RESC1005X04N 179.705,57.785 r180 top
R6601 "10k" RESC1005X04N 181.769,53.975 r270 top
R6602 "0R" RESC1005X04N 179.705,56.832 r0 top locked
R6603 "0R" RESC1005X04N 179.705,55.88 r0 top
R6604 "20k" RESC1005X04N 180.816,53.975 r90 top locked
R6605 "10k" RESC1005X04N 170.974,56.991 r180 top
R6606 "0R" RESC1005X04N 175.26,59.214 r180 top
R6607 "0R" RESC1005X04N 175.26,53.181 r0 top locked
R6608 "220R" RESC1005X04N 168.434,59.214 r180 top locked
R7000 "5k6" RESC1005X04N 29.845,41.407 r90 top locked
R7001 "1k91" RESC1005X04N 31.909,65.564 r90 top locked
R7002 "220R" RESC1005X04N 77.311,60.642 r90 top locked
R7004 "5k6" RESC1005X04N 29.686,20.32 r90 top
R7005 "10k" RESC1005X04N 25.082,14.605 r270 top
R7006 "10k" RESC1005X04N 28.258,41.434 r90 top
R7007 "220R" RESC1005X04N 132.874,81.121 r270 top
R7008 "866R" RESC1005X04N 28.258,39.37 r90 top
R7100 "0R005" PANASONIC_ERJMS4H 23.495,57.15 r180 top
R7101 "100R" RESC1005X04N 24.13,63.659 r270 top locked
R7102 "100R" RESC1005X04N 22.86,63.659 r270 top locked
R7103 "2k49" RESC1005X04N 15.557,65.087 r270 top locked
R7104 "10R" RESC1005X04N 15.24,63.182 r270 top
R7105 "10k" RESC1005X04N 13.494,61.595 r0 top locked
R7106 "10k" RESC1005X04N 22.86,75.565 r90 top locked
R7107 "100R" RESC1005X04N 23.812,76.994 r270 top locked
R7108 "0R005" PANASONIC_ERJMS4H 17.78,84.455 r180 top
R7109 "100R" RESC1005X04N 24.765,76.994 r270 top
R7110 "93k1" RESC1005X04N 16.192,63.182 r90 top locked
R7111 "23k7" RESC1005X04N 17.621,65.087 r90 top locked
R7112 "280k" RESC1005X04N 21.114,65.722 r180 top locked
R7113 "20k" RESC1005X04N 21.114,64.77 r180 top
R7114 "4k7" RESC1005X04N 20.955,62.389 r90 top locked
R7115 "0R" RESC6331X07N 28.734,63.182 r90 top
R7200 "10k" RESC1005X04N 80.328,45.085 r90 top locked
R7201 "10k" RESC1005X04N 79.216,45.085 r90 top locked
R7202 "100R" RESC1005X04N 86.519,44.291 r90 top locked
R7203 "10k" RESC1005X04N 85.249,45.085 r90 top locked
R7204 "10k" RESC1005X04N 83.979,45.085 r90 top locked
R7205 "20k" RESC1005X04N 80.328,42.862 r90 top
R7206 "1k91" RESC1005X04N 79.216,42.862 r90 top
R7207 "5k1" RESC1005X04N 91.916,44.291 r90 top
R7208 "26k7" RESC1005X04N 85.249,42.889 r90 top
R7209 "4k7" RESC1005X04N 83.979,42.889 r90 top
R7210 "4k7" RESC1005X04N 97.79,58.42 r180 top locked
R7219 "0R" RESC1005X04N 105.277,46.831 r0 top
R7226 "0R015" PANASONIC_ERJ-B1 93.504,67.31 r180 top locked
R7227 "1M" RESC1005X04N 109.379,63.659 r180 top locked
R7228 "1M" RESC1005X04N 111.919,63.659 r0 top locked
R7229 "5k1" RESC1005X04N 79.057,65.405 r180 top
R7230 "10k" RESC1005X04N 110.49,58.102 r180 top
R7231 "5k1" RESC1005X04N 79.057,63.5 r180 top
R7232 "5k1" RESC1005X04N 103.822,59.531 r0 top
R7233 "470k" RESC1005X04N 104.775,45.402 r90 top
R7234 "220R" RESC1005X04N 105.886,45.402 r90 top
R7235 "5k1" RESC1005X04N 109.405,43.021 r180 top
R7236 "2k49" RESC1005X04N 79.216,52.387 r90 top locked
R7237 "2k49" RESC1005X04N 78.105,52.387 r90 top locked
R7238 "100k" RESC1005X04N 107.341,43.021 r0 top
R7239 "10k" RESC1005X04N 97.79,57.309 r180 top locked
R7240 "5k1" RESC1005X04N 90.964,44.291 r270 top
R7241 "5k1" RESC1005X04N 88.741,44.291 r270 top
R7242 "5k1" RESC1005X04N 82.709,45.085 r90 top
R7243 "5k1" RESC1005X04N 81.439,45.085 r270 top
R7244 "220R" RESC1005X04N 96.203,47.942 r0 top locked
R7245 "10k" RESC1005X04N 83.344,65.405 r270 top
R7246 "10k" RESC1005X04N 83.344,63.5 r270 top
R7247 "0R" RESC1005X04N 92.869,44.291 r90 top locked
R7248 "0R" RESC1005X04N 90.011,44.291 r90 top locked
R7249 "0R" RESC1005X04N 87.789,44.291 r270 top locked
R7250 "220R" RESC1005X04N 78.105,42.862 r270 top locked
R7251 "100k" RESC1005X04N 91.599,41.751 r0 top
R7301_1 "0R005" PANASONIC_ERJMS4H 20.637,44.767 r0 top (schematic designator R7301)
R7301_2 "0R005" PANASONIC_ERJMS4H 20.637,23.654 r0 top (schematic designator R7301)
R7303_1 "10R" RESC1005X04N 16.034,41.434 r0 top (schematic designator R7303)
R7303_2 "10R" RESC1005X04N 16.034,20.32 r0 top locked (schematic designator R7303)
R7304_1 "240k" RESC1005X04N 14.129,41.434 r180 top (schematic designator R7304)
R7304_2 "240k" RESC1005X04N 14.129,20.32 r180 top (schematic designator R7304)
R7305_1 "240k" RESC1005X04N 6.032,38.259 r0 top (schematic designator R7305)
R7305_2 "240k" RESC1005X04N 6.032,17.145 r0 top (schematic designator R7305)
R7306_1 "33R" RESC1005X04N 23.177,39.979 r270 top (schematic designator R7306)
R7306_2 "33R" RESC1005X04N 23.177,18.865 r270 top locked (schematic designator R7306)
R7307_1 "100k" RESC1005X04N 14.129,40.164 r180 top (schematic designator R7307)
R7307_2 "100k" RESC1005X04N 14.129,19.05 r180 top locked (schematic designator R7307)
R7308_1 "10k" RESC1005X04N 10.319,36.512 r180 top (schematic designator R7308)
R7308_2 "10k" RESC1005X04N 10.319,15.399 r180 top (schematic designator R7308)
R7309_1 "10k" RESC1005X04N 12.224,37.306 r180 top (schematic designator R7309)
R7309_2 "10k" RESC1005X04N 12.224,16.192 r180 top locked (schematic designator R7309)
R7310_1 "0R" RESC1005X04N 19.526,41.434 r0 top (schematic designator R7310)
R7310_2 "0R" RESC1005X04N 19.526,20.32 r0 top (schematic designator R7310)
R7311_1 "240k" RESC1005X04N 14.129,38.894 r180 top (schematic designator R7311)
R7311_2 "240k" RESC1005X04N 14.129,17.78 r180 top (schematic designator R7311)
R8000 "330R" RESC1608X05N 152.876,16.986 r90 top
R8001 "10k" RESC1005X04N 150.971,27.622 r270 top
R8002 "5k6" RESC1005X04N 154.623,19.209 r270 top locked
R8003 "10k" RESC1005X04N 150.971,24.289 r90 top locked
R8004 "3k9" RESC1005X04N 156.051,19.685 r180 top
R8005 "10k" RESC1005X04N 149.701,24.289 r90 top locked
R8006 "10k" RESC1005X04N 148.749,27.622 r270 top locked
R8007 "10k" RESC1005X04N 148.749,24.289 r90 top locked
R8008 "10k" RESC1005X04N 145.256,16.828 r90 top locked
R8009 "10k" RESC1005X04N 153.194,27.622 r270 top
R8010 "5k6" RESC1005X04N 157.639,16.669 r270 top locked
R8011 "2k49" RESC1005X04N 146.844,24.289 r90 top locked
R8012 "2k49" RESC1005X04N 147.796,24.289 r90 top
R8013 "3k9" RESC1005X04N 157.004,18.098 r0 top
R8014 "10R" RESC1005X04N 158.591,16.669 r270 top locked
R8015 "10k" RESC1005X04N 155.416,27.622 r270 top locked
R8016 "2R" RESC2012X05N 159.067,14.605 r0 top locked
R8017 "10R" RESC1005X04N 159.544,16.669 r270 top
R8018 "1k" RESC1005X04N 162.719,23.177 r180 top
R8019 "22k1" RESC1005X04N 166.846,22.066 r180 top locked
R8020 "10k" RESC1005X04N 163.989,33.179 r0 top locked
R8021 "240k" RESC1005X04N 164.598,23.177 r180 top
R8022 "2k49" RESC1005X04N 166.846,23.177 r180 top
R8023 "10R" RESC2012X05N 167.957,17.462 r270 top
R8024 "10k" RESC1005X04N 160.02,32.729 r90 top locked
R8025 "330R" RESC1005X04N 161.131,32.729 r90 top
R8026 "0R" RESC1005X04N 152.082,31.274 r270 top
R8027 "0R" RESC1005X04N 150.971,31.274 r270 top
S4500 "WS-DISV" WE_416131160801 37.941,28.416 r0 top
S6600 "WS-DISV" WE_416131160801 168.434,53.34 r0 top locked
S7200 "WS-DISV" WE_416131160802 110.49,52.705 r0 top locked
T1200 "SM91074ALE" SM91074ALE 189.865,94.774 r90 top
T1201 "SM91074ALE" SM91074ALE 176.213,94.774 r90 top
TP8000 "Testpoint_Square" Testpoint_S1 152.082,29.527 r90 top
TP8001 "Testpoint_Square" Testpoint_S1 149.86,29.527 r90 top
TP8002 "Testpoint_Square" Testpoint_S1 154.305,29.527 r90 top
TP8003 "Testpoint_Square" Testpoint_S1 156.528,29.527 r90 top
TP_GND "Testpoint_Square" Testpoint_S1 29.686,15.875 r90 top
TP_VBB_12V "Testpoint_Square" Testpoint_S1 31.909,67.786 r180 top
TP_VSUP_30 "Testpoint_Square" Testpoint_S1 29.686,21.907 r180 top
TP_VSUP_30C "Testpoint_Square" Testpoint_S1 31.75,43.021 r180 top
U1100 "ADUM6401CRIZ" ADI_RI-16-2 190.976,50.959 r270 top
U1100 "ISOW7841AQDWEQ1" TI_DWE0016A 190.976,50.959 r270 top
U1101_1 "TCAN1043HDQ1" TI_D0014A-C01_SOIC-14 177.641,40.164 r270 top (schematic designator U1101)
U1101_2 "TCAN1043HDQ1" TI_D0014A-C01_SOIC-14 193.04,34.29 r270 top (schematic designator U1101)
U1200 "DP83869HMRGZT" DP83869HM-RGZ 184.309,75.406 r270 top
U1600 "LTC2870HUFD" LTC2870-UFD 163.036,41.116 r270 top locked
U4301 "ADR4550BRZ" SOIC127P600X175-8N 118.269,55.245 r270 top
U4500_1 "MC33XS2410EL" MC33XS2410EL 47.784,31.274 r90 top (schematic designator U4500)
U4500_2 "MC33XS2410EL" MC33XS2410EL 91.757,31.274 r90 top (schematic designator U4500)
U5000 "TMS5704357BZWTQQ1" BGA337C80P19X19_1600X1600X140 144.463,66.992 r180 top
U6200 "S25FL512SDSMFM010" S25FL512S-SO3016 135.572,95.409 r0 top
U6201 "CY15B102QN-50SXE" CY15B102QN-50SXE 121.602,89.535 r0 top
U6202 "MR25H40BMDF" MR25H40 121.52,98.901 r270 top
U6300_1 "PCA9539PW" PCA9539PW 79.851,30.956 r90 top (schematic designator U6300)
U6300_2 "PCA9539PW" PCA9539PW 84.138,87.471 r0 top (schematic designator U6300)
U6300_3 "PCA9539PW" PCA9539PW 106.362,87.471 r0 top (schematic designator U6300)
U6400 "PCF2131TF" NXP_SOT1992-1 53.657,85.09 r0 top
U6500 "SHT35-DIS-F" SHT3X 69.215,83.026 r270 top
U6600 "MAX16998DAUA/V+" MAX16998-uSOP8 175.26,55.562 r0 top
U6601 "TPS7A1650AQDGNRQ1" TPS7A16A-Q1 175.26,50.8 r180 top locked
U7100 "LM5176QPWPRQ1" LM5176-PWP 18.574,70.485 r90 top
U7200 "MC33FS8530A0ES" MC33FS8530A0ES 89.218,52.387 r0 top
U7300_1 "LTC4380HMS-4#PBF" LTC4380-MSOP10 19.526,39.052 r180 top (schematic designator U7300)
U7300_2 "LTC4380HMS-4#PBF" LTC4380-MSOP10 19.526,17.939 r180 top (schematic designator U7300)
U8000 "TPS2H000BQPWPRQ1" TI_PWP0016J 148.749,19.209 r270 top
U8001 "INA240A1QPWRQ1" TI_PW0008A 159.067,22.543 r90 top
U8002 "LM2903QDRQ1" TI_D0008A 165.576,28.734 r90 top
Y6100 "SiT8924BAT31-33N-20.000000" SiT8924xx-3x 166.688,67.786 r90 top locked
Y6101 "SiT8924BAT31-33N-25.000000" SiT8924xx-3x 152.082,37.782 r90 top locked

## Footprints (in the part's own frame and the unit in brackets; to place one, negate y for a bottom-side part, rotate by r counter-clockwise, add the part's x,y. Pads: shape width x height; smd on the part's side, far side on the other; paste and mask are expansions set on the pad)
64900229522 [mm] "4.20mm Male Dual Row Angled Header, 2p"
  rrect50% 2.7x2.7 hole 1.8: 1(0,7.5)
  round 2.7 hole 1.8: 2(0,13)
  silkscreen extent -2.9,-6.5 2.9,6.5, body extent -2.7,-6.4 3.02,13.57, height 11.43
64900429522 [mm] "4.20mm Male Dual Row Angled Header, 4p"
  rrect50% 2.7x2.7 hole 1.8: 1(2.1,7.5)
  round 2.7 hole 1.8: 2(-2.1,7.5) 3(2.1,13) 4(-2.1,13)
  silkscreen extent -5,-6.5 5,6.5, body extent -4.8,-6.4 5.12,13.57, height 11.43
64900629522 [mm] "4.20mm Male Dual Row Angled Header, 6p"
  rrect50% 2.7x2.7 hole 1.8: 1(4.2,7.5)
  round 2.7 hole 1.8: 2(0,7.5) 3(-4.2,7.5) 4(4.2,13) 5(0,13) 6(-4.2,13)
  silkscreen extent -7.1,-6.5 7.1,6.5, body extent -6.9,-6.4 7.22,13.57, height 11.43
64900829522 [mm] "4.20mm Male Dual Row Angled Header, 8p"
  rrect50% 2.7x2.7 hole 1.8: 1(6.3,7.5)
  round 2.7 hole 1.8: 2(2.1,7.5) 3(-2.1,7.5) 4(-6.3,7.5) 5(6.3,13) 6(2.1,13) 7(-2.1,13) 8(-6.3,13)
  silkscreen extent -9.2,-6.5 9.2,6.5, body extent -9,-6.4 9.32,13.57, height 11.43
ADI_RI-16-2 [mm] "SOIC, 16-Leads, Body 12,80x7,50mm, Pitch 1,27mm, IPC Medium Density"
  oval 1.9x0.6 smd: 1(-4.75,4.445) 2(-4.75,3.175) 3(-4.75,1.905) 4(-4.75,0.635) 5(-4.75,-0.635) 6(-4.75,-1.905) 7(-4.75,-3.175) 8(-4.75,-4.445) 9(4.75,-4.445) 10(4.75,-3.175) 11(4.75,-1.905) 12(4.75,-0.635) 13(4.75,0.635) 14(4.75,1.905) 15(4.75,3.175) 16(4.75,4.445)
  silkscreen extent -4.87,-6.5 3.4,5.42, body extent -5.16,-6.5 5.16,6.5, height 2.65
ASPIAIG-S4035 [mm] "Precision Wire Wound Inductor, 2-Leads, Body 4,00x4,00mm, IPC Medium Density"
  rect 2.05x3.3 smd: 1(-1.675,0) 2(1.675,0)
  silkscreen extent -2.1,-2.1 2.1,2.1, body extent -2.1,-2 2.1,2, height 3.8